# Altium PCB PCB_ESP_R8_POE_3C v2_2023-10-08.pcbdoc (part 2 of 3) (continued)
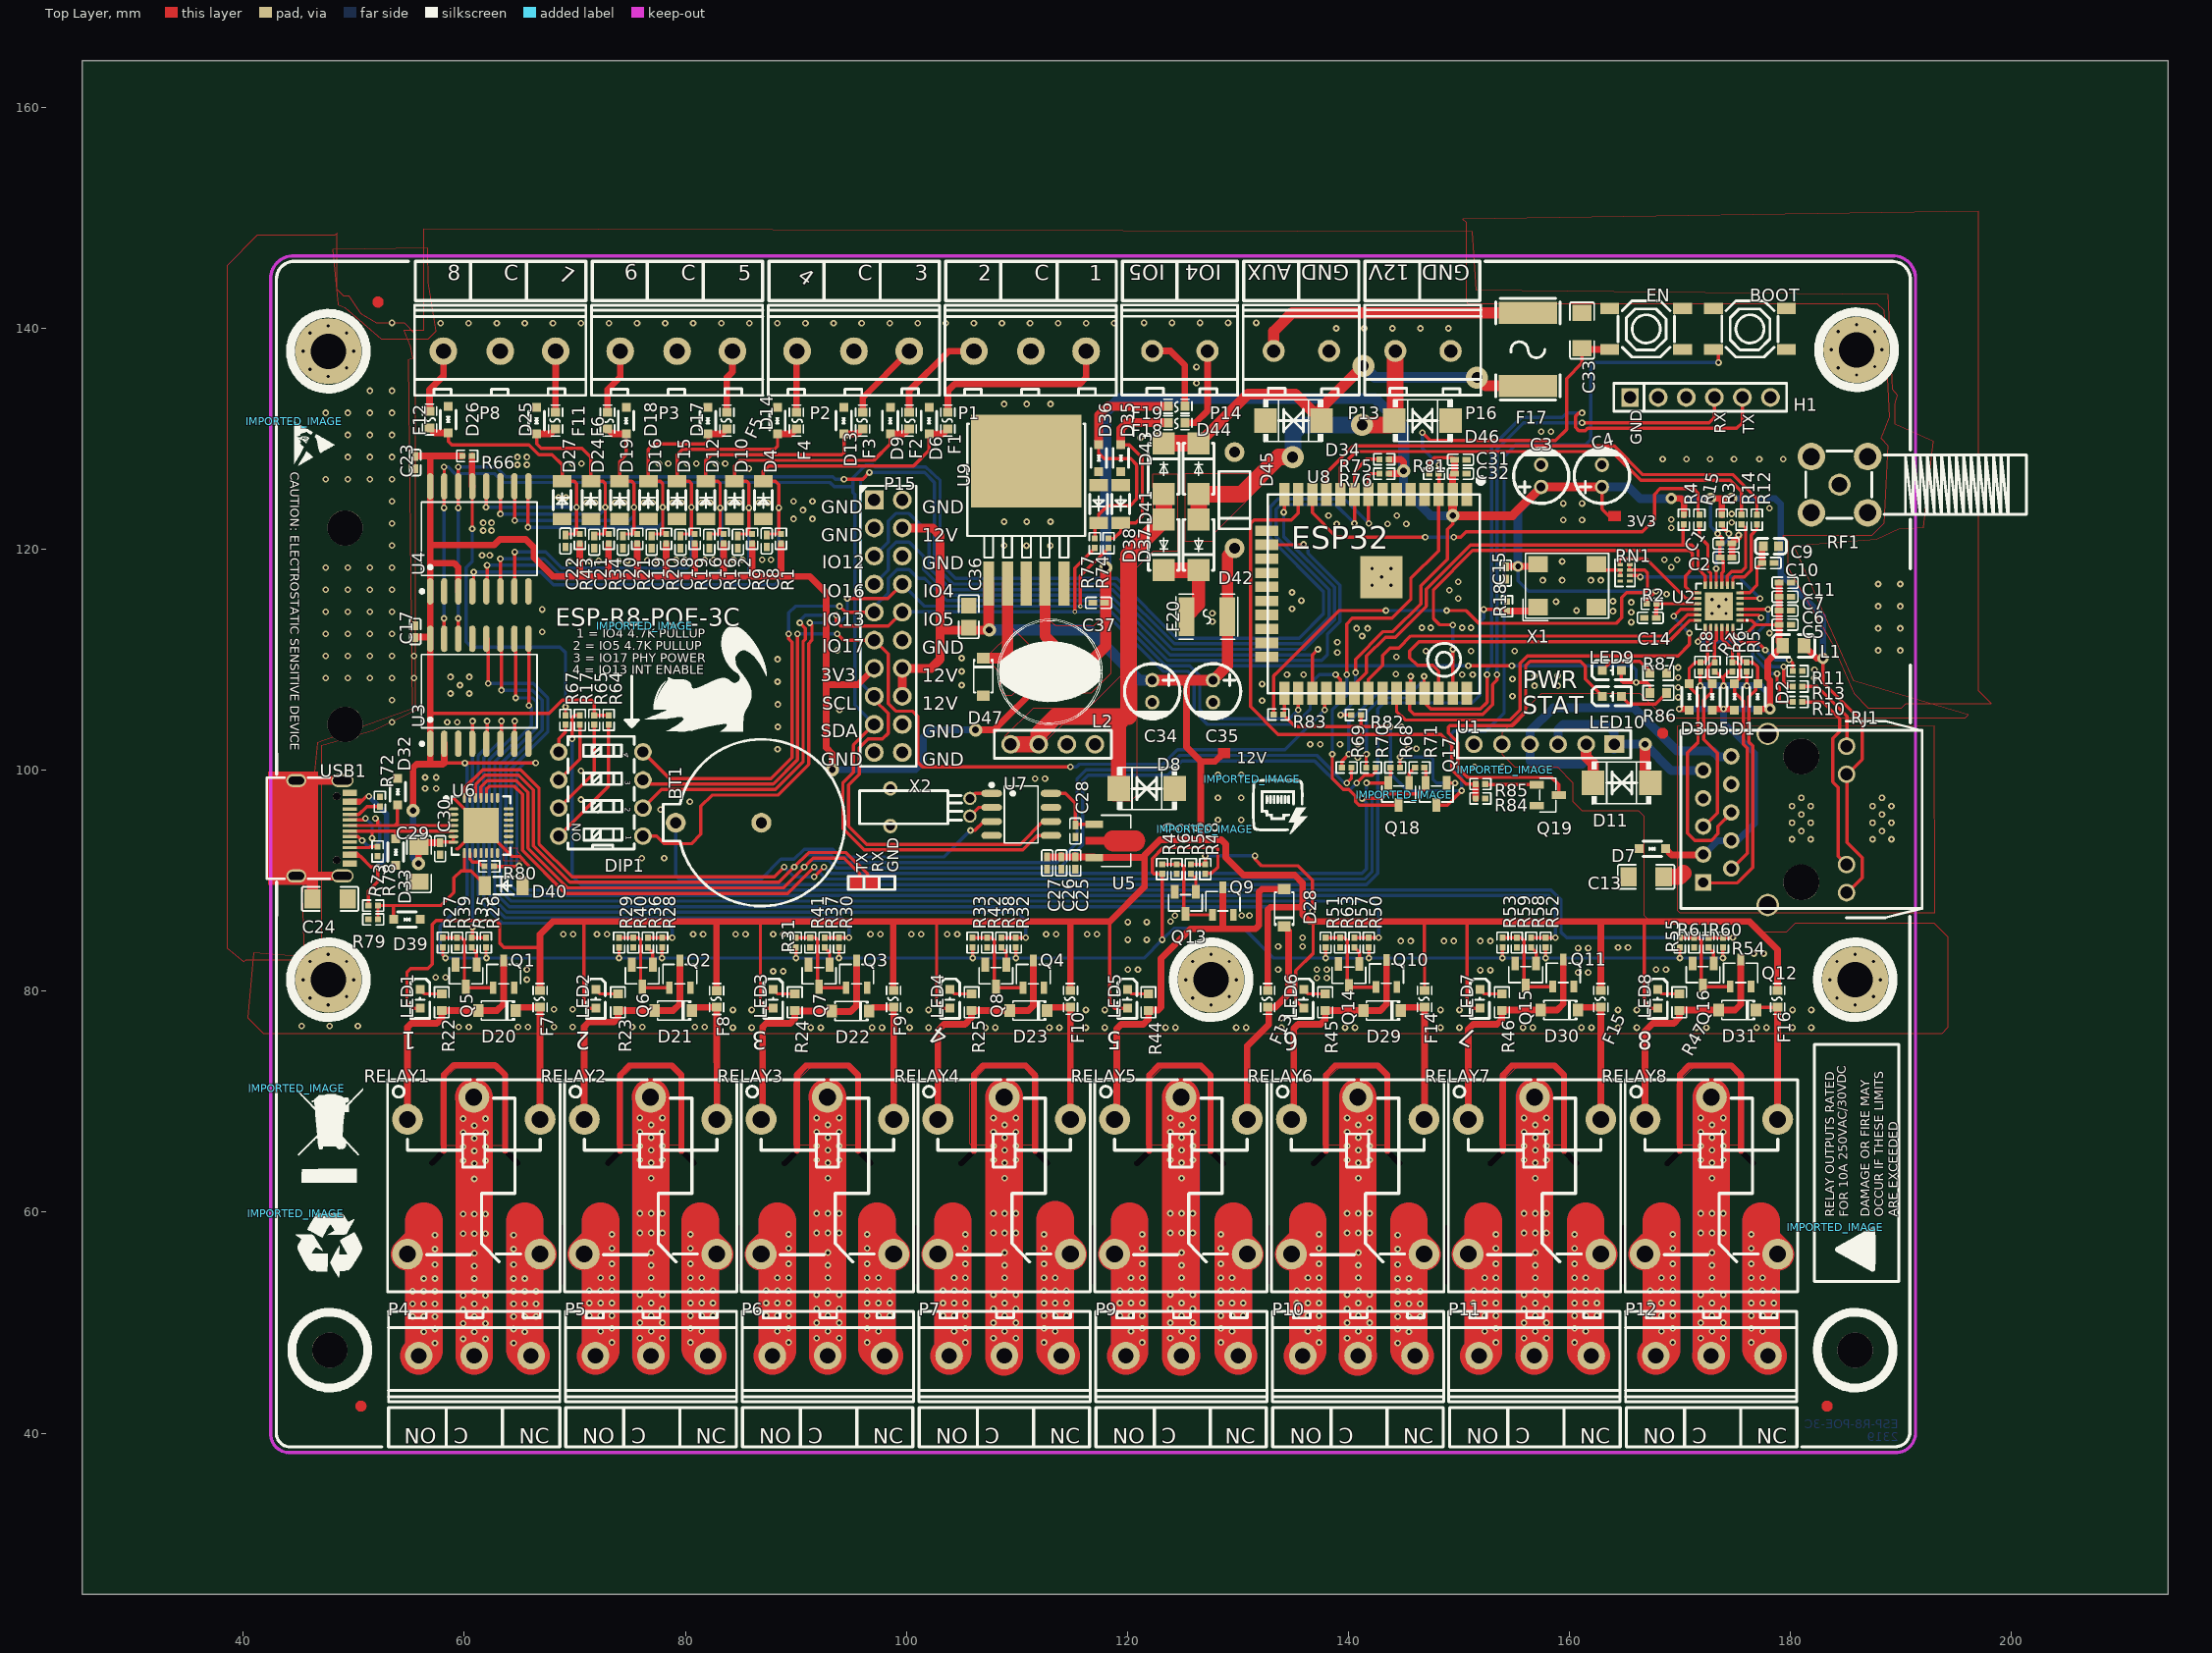
[diagram p0: Top Layer view]
## Nets (pads, with @x,y where several pads share a name; then routed paths per layer and width w, separated by ;. In a path a pad name is that pad's centre, name@x,y a point inside that pad or via, vN(x,y) a via of type N, cw(c..) or ccw(c..) an arc to the next point about the centre after c; other vN are vias at no path point) (continued)
  Top Layer w0.6: F6.1@72.951,130.907 73.4,130.457 D18.1@74.649,130.456
  Bottom Layer w0.3: v1(64.55,122.611) 74.9,122.611 75.35,123.061 v1(75.35,123.811)
INPUT_6: C21.1 D24.1 D25.1 F11.2 R34.2 U4.11 | length 30.3
  Top Layer w0.3: v1(63.25,123.211) 63.25,125.706 U4.11@63.255,125.711 ; D25.1@66.549,130.456 66.55,129.561 66.95,129.161 70.65,129.161 71.45,128.361 D24.1@71.45,126.161 ; D24.1@71.45,126.162 72.549,126.162 72.75,125.962 v1(72.75,123.811) 72.75,121.394 73.05,121.394 71.938,121.394 C21.1@71.749,121.205
  Top Layer w0.6: D25.1@66.549,130.456 67.797,130.457 F11.2@68.249,130.907
  Bottom Layer w0.3: v1(63.25,123.211) 72.3,123.211 72.75,123.661 v1(72.75,123.811)
INPUT_7: C22.1 D26.1 D27.1 F12.1 R43.2 U4.12 | length 33.1
  Top Layer w0.3: D26.1@58.55,130.556 58.55,129.761 58.85,129.461 65.85,129.461 66.75,128.561 67.95,128.561 68.85,127.661 D27.1@68.85,126.161 ; v1(61.95,123.811) 61.985,123.846 U4.12@61.985,125.711 ; D27.1@68.849,126.162 69.951,126.162 70.15,125.963 v1(70.15,123.811) 70.15,121.394 70.449,121.394 69.238,121.394 C22.1@69.15,121.306
  Top Layer w0.6: F12.1@56.85,131.007 57.302,130.556 D26.1@58.549,130.556
  Bottom Layer w0.3: v1(61.95,123.811) v1(70.15,123.811)
INT: R66.2 R67.2 U4.13 | length 32.1
  Top Layer w0.3: v1@60.715,121.862 U4.13@60.715,125.711 ; R67.2@69.15,104.994 v1(69.15,105.761)
  Top Layer w0.6: R66.2@60.684,128.461 60.683,125.743 U4.13@60.715,125.711
  Bottom Layer w0.3: v1(60.716,121.861) 60.716,118.925 60.149,118.359 60.149,111.661 60.65,111.161 68.651,111.161 69.151,110.66 v1@69.151,105.761
INT_ESP32: DIP1.4 P15.9 U8.16 | length 99.1
  Top Layer w0.3: DIP1.4@76.161,101.671 78.569,99.261 87.749,99.261 89.649,101.161 89.649,111.61 89.349,111.91 v1@89.349,112.36 ; v1(93.95,114.861) 94.488,114.323 P15.9@97.091,114.323 ; U8.16@132.623,120.418 135.907,120.418 v1(135.95,120.461)
  Bottom Layer w0.3: v1(89.35,112.361) 89.35,114.261 89.95,114.861 v1(93.95,114.861) ; P15.9@97.091,114.323 97.091,114.803 98.351,116.063 98.351,117.361 99.151,118.161 100.251,118.161 101.051,117.361 101.65,117.361 103.649,115.362 118.249,115.362 123.649,109.962 137.601,109.962 138.099,110.46 138.099,112.311 139.25,113.462 139.25,116.761 136.349,119.662 136.349,120.063 v1(135.95,120.461)
IO12: P15.5 U8.14 | length 65.6
  Top Layer w0.3: v1(134.15,123.361) 134.202,123.413 U8.14@134.202,124.973
  Bottom Layer w0.3: P15.5@97.091,119.403 98.351,120.663 98.351,122.563 99.049,123.261 100.251,123.261 102.049,121.46 102.049,118.362 104.051,116.36 118.65,116.36 124.051,110.96 136.049,110.96 138.75,113.66 138.75,116.561 134.15,121.161 v1(134.15,123.361)
IO16: P15.7 U8.27 | length 52.1
  Top Layer w0.3: U8.27@136.743,106.973 136.742,110.453 v1(137.25,110.961)
  Bottom Layer w0.3: P15.7@97.091,116.863 98.351,118.123 98.351,119.957 99.054,120.66 100.251,120.66 101.549,119.36 101.549,118.161 103.85,115.86 118.45,115.86 123.85,110.46 136.749,110.46 v1(137.25,110.961)
L2_1: D47.1 L2.1 U9.2 | length 10.6
  Top Layer w1: D47.1@106.949,110.153 109.092,110.153 109.15,110.211 109.15,110.061 L2.1@110.25,108.961 ; 109.149,110.212 U9.2@109.149,116.911
LED_G: R13.2 U2.3 | length 11.9
  Top Layer w0.3: U2.3@175.452,114.581 175.457,114.577 v1(177.99,114.577) ; v1(179.387,109.37) 179.387,107.973 179.768,107.592 R13.2@180.224,107.592
  Bottom Layer w0.3: v1@177.99,114.45 177.99,113.434 177.101,112.545 177.101,110.64 178.371,109.37 v1(179.387,109.37)
LED_Y: R10.2 U2.2 | length 12.4
  Top Layer w0.3: U2.2@175.452,114.081 177.101,114.069 v1(177.355,113.815) ; v1(178.8,108.761) 178.8,107.711 179.006,107.506 179.006,106.195 R10.2@180.098,106.195
  Bottom Layer w0.3: v1(177.355,113.815) 176.593,113.053 176.593,110.386 178.218,108.761 v1(178.8,108.761)
OUT_1: R26.2 R35.2 U3.4 | length 23
  Top Layer w0.3: U3.4@60.716,102.462 60.75,102.496 v1(60.75,104.461) ; v1(60.75,85.811) 60.75,84.943 R35.2@60.65,84.844 R26.2@61.95,84.844
  Bottom Layer w0.3: v1@60.75,85.836 v1@60.75,104.486
OUT_2: R28.2 R36.2 U3.5 | length 40.1
  Top Layer w0.3: U3.5@61.986,102.462 62.05,102.526 v1(62.05,104.461) ; R36.2@76.6,84.844 R28.2@77.9,84.844 ; R28.2@77.9,84.844 v1(78.8,84.862)
  Bottom Layer w0.3: v1(62.05,104.461) 62.049,102.161 61.249,101.361 61.249,88.362 63.451,86.162 78.249,86.162 78.8,85.611 v1(78.8,84.862)
OUT_3: R30.2 R37.2 U3.6 | length 56
  Top Layer w0.3: U3.6@63.256,102.462 63.35,102.556 v1(63.35,104.461) ; R37.2@92.6,84.844 R30.2@93.9,84.844 93.917,84.861 v1(94.8,84.861)
  Bottom Layer w0.3: v1(63.35,104.461) 63.35,102.761 61.749,101.161 61.749,88.56 63.649,86.66 94.109,86.66 94.8,85.972 v1(94.8,84.861)
OUT_4: R32.2 R38.2 U3.7 | length 71.9
  Top Layer w0.3: U3.7@64.526,102.462 64.55,102.486 v1(64.55,104.461) ; R38.2@108.6,84.844 R32.2@109.9,84.844 ; R32.2@109.9,84.844 v1(110.799,84.862)
  Bottom Layer w0.3: v1@64.551,104.46 64.551,103.261 62.25,100.96 62.25,88.76 63.85,87.16 110.03,87.16 110.799,86.391 v1(110.799,84.862)
OUT_5: R48.2 R56.2 U3.9 | length 114.9
  Top Layer w0.3: U3.9@65.796,112.062 65.85,112.008 v1(65.85,105.861) ; R56.2@125.75,91.494 R48.2@127.05,91.494 v1(127.05,92.261) ; v1@131.551,92.261 131.551,91.961 132.151,91.361 135.45,91.361 136.751,90.061 v1@136.751,87.262
  Bottom Layer w0.3: v1(65.85,105.861) 66.05,105.659 66.05,104.061 62.75,100.762 62.75,88.961 64.051,87.661 136.349,87.661 v1@136.751,87.262 ; v1(127.05,92.261) v1(131.55,92.261)
  other v1: 136.75,87.261
OUT_6: R50.2 R57.2 U3.10 | length 111.1
  Top Layer w0.3: U3.10@64.526,112.062 64.65,111.938 v1(64.65,106.561) ; R57.2@140.55,84.844 R50.2@141.85,84.844 141.867,84.861 v1(142.75,84.861)
  Bottom Layer w0.3: v1(64.65,106.561) 66.151,106.561 66.55,106.162 66.55,103.861 63.251,100.561 63.251,89.162 64.249,88.161 142.151,88.161 142.75,87.562 v1(142.75,84.861)
OUT_7: R52.2 R58.2 U3.11 | length 128.2
  Top Layer w0.3: U3.11@63.256,112.062 63.35,111.968 v1(63.35,107.261) ; R58.2@156.55,84.844 R52.2@157.85,84.844 157.867,84.861 v1(158.75,84.861)
  Bottom Layer w0.3: v1(63.35,107.261) 66.15,107.261 67.05,106.361 67.05,103.661 63.75,100.361 63.75,89.361 64.45,88.661 158.15,88.661 158.75,88.061 v1(158.75,84.861)
OUT_8: R54.2 R60.2 U3.12 | length 145
  Top Layer w0.3: U3.12@61.986,112.062 62.15,111.898 v1(62.15,107.861) ; R60.2@172.6,84.844 R54.2@173.9,84.844 173.917,84.861 v1(174.8,84.861)
  Bottom Layer w0.3: v1(62.15,107.861) 66.25,107.861 67.55,106.561 67.55,103.461 64.25,100.161 64.25,89.561 64.65,89.161 158.35,89.161 159.25,88.261 159.25,85.361 159.75,84.861 v1(174.8,84.861)
P1_1: F1.1 P1.1 | length 17.3
  Top Layer w0.6: F1.1@103.751,132.415 103.751,134.361 104.35,134.96 115.651,134.96 116.268,135.578 P1.1@116.268,137.945
P1_3: F2.2 P1.3 | length 9.3
  Top Layer w0.6: F2.2@100.251,132.415 100.251,134.361 103.835,137.945 P1.3@106.108,137.945
P2_1: F3.1 P2.1 | length 7.3
  Top Layer w0.6: F3.1@96.05,132.414 96.05,133.729 P2.1@100.266,137.945
P2_3: F4.2 P2.3 | length 5.6
  Top Layer w0.6: F4.2@90.05,132.414 90.05,137.889 P2.3@90.106,137.945
P3_1: F5.1 P3.1 | length 5.7
  Top Layer w0.6: F5.1@83.751,132.414 83.751,135.56 84.264,136.076 P3.1@84.264,137.945
P3_3: F6.2 P3.3 | length 6
  Top Layer w0.6: F6.2@72.951,132.414 72.951,134.46 74.104,135.616 P3.3@74.104,137.945
P5_1: P5.1 RELAY2.2 | length 32
  Top Layer w3: RELAY2.2@70.85,56.211 72.326,57.687 72.326,59.205
  Top Layer w3.4: P5.1@71.87,47.011 72.326,47.467 72.326,59.205
  Bottom Layer w3: RELAY2.2@70.85,56.211 72.326,57.687 72.326,59.205
  Bottom Layer w3.4: P5.1@71.87,47.011 72.326,47.467 72.326,59.205
  other v1: 73.342,48.219 72.326,49.235 73.342,49.489 71.31,50.632 72.326,50.632 73.342,50.632 71.31,51.775 72.326,51.775 73.342,51.775 71.31,52.918 72.326,52.918 73.342,52.918 72.326,54.061 73.342,54.061 73.342,55.331 73.342,56.728 73.342,57.998
P5_2: P5.2 RELAY2.5 | length 46.9
  Top Layer w3.4: RELAY2.5@76.85,70.411 76.879,70.382 P5.2@76.879,47.011
  Bottom Layer w2.5: RELAY2.5@76.827,70.298 76.85,70.321 RELAY2.5@76.85,70.411
  Bottom Layer w3.4: RELAY2.5@76.85,70.411 76.85,47.04 P5.2@76.879,47.011
  other v1: 75.882,48.6 77.914,48.6 76.898,49.235 75.882,49.997 77.914,49.997 76.898,50.632 75.882,51.267 77.914,51.267 76.898,51.775 75.882,52.537 77.914,52.537 76.898,52.918 76.898,54.061 76.898,55.204 76.898,56.347 75.882,58.125 76.898,58.125 77.914,58.125 75.882,59.903 76.898,59.903 77.914,59.903 76.898,63.078 76.898,64.475 75.882,64.729 77.914,64.729 76.898,65.618 75.882,65.999 77.914,65.999 76.898,66.761 75.882,67.269 77.914,67.269 76.898,67.904 75.882,68.539 77.914,68.539
P5_3: P5.3 RELAY2.3 | length 32.2
  Top Layer w3: 81.343,59.205 81.343,57.717 RELAY2.3@82.849,56.211
  Top Layer w3.4: 81.343,59.205 81.343,47.698 P5.3@82.03,47.011
  Bottom Layer w3: 81.343,59.205 81.343,57.717 RELAY2.3@82.849,56.211
  Bottom Layer w3.4: 81.343,59.205 81.343,47.648 81.98,47.011 P5.3@82.03,47.011
  other v1: 80.454,48.219 81.47,49.235 80.454,49.489 80.454,50.632 81.47,50.632 82.486,50.632 80.454,51.775 81.47,51.775 82.486,51.775 80.454,52.918 81.47,52.918 82.486,52.918 80.454,54.061 81.47,54.061 80.454,55.331 80.454,56.728 80.454,57.998
P8_1: F11.1 P8.1 | length 5.5
  Top Layer w0.6: F11.1@68.249,132.414 P8.1@68.262,137.945
P8_3: F12.2 P8.3 | length 5.9
  Top Layer w0.6: F12.2@56.85,132.513 56.85,134.46 58.102,135.712 P8.3@58.102,137.945
P9_1: P9.1 RELAY5.2 | length 31.8
  Top Layer w3: RELAY5.2@118.85,56.211 120.205,57.565 120.205,59.205
  Top Layer w3.4: P9.1@119.87,47.011 120.205,47.346 120.205,59.205
  Bottom Layer w3: RELAY5.2@118.85,56.211 120.205,57.565 120.205,59.205
  Bottom Layer w3.4: P9.1@119.87,47.011 120.205,47.346 120.205,59.205
  other v1: 121.348,48.219 120.332,49.235 121.348,49.489 119.316,50.632 120.332,50.632 121.348,50.632 119.316,51.775 120.332,51.775 121.348,51.775 119.316,52.918 120.332,52.918 121.348,52.918 120.332,54.061 121.348,54.061 121.348,55.331 121.348,56.728 121.348,57.998
P9_2: P9.2 RELAY5.5 | length 47.1
  Top Layer w3.4: P9.2@124.833,46.886 124.833,46.965 P9.2@124.879,47.011 124.85,47.04 RELAY5.5@124.85,70.411
  Bottom Layer w2.5: RELAY5.5@124.833,70.298 124.85,70.315 RELAY5.5@124.85,70.411
  Bottom Layer w3.4: RELAY5.5@124.85,70.411 124.879,70.382 P9.2@124.879,47.011
  other v1: 123.888,48.6 125.92,48.6 124.904,49.235 123.888,49.997 125.92,49.997 124.904,50.632 123.888,51.267 125.92,51.267 124.904,51.775 123.888,52.537 125.92,52.537 124.904,52.918 124.904,54.061 124.904,55.204 124.904,56.347 123.888,58.125 124.904,58.125 125.92,58.125 123.888,59.903 124.904,59.903 125.92,59.903 124.904,63.078 124.904,64.475 123.888,64.729 125.92,64.729 124.904,65.618 123.888,65.999 125.92,65.999 124.904,66.761 123.888,67.269 125.92,67.269 124.904,67.904 123.888,68.539 125.92,68.539
P9_3: P9.3 RELAY5.3 | length 31.8
  Top Layer w3: 129.603,59.205 129.603,57.457 RELAY5.3@130.849,56.211
  Top Layer w3.4: 129.603,59.205 129.603,47.438 P9.3@130.03,47.011
  Bottom Layer w3: 129.603,59.205 129.603,57.457 RELAY5.3@130.849,56.211
  Bottom Layer w3.4: 129.603,59.205 129.603,47.438 P9.3@130.03,47.011
  other v1: 128.46,48.219 129.476,49.235 128.46,49.489 128.46,50.632 129.476,50.632 130.492,50.632 128.46,51.775 129.476,51.775 130.492,51.775 128.46,52.918 129.476,52.918 130.492,52.918 128.46,54.061 129.476,54.061 128.46,55.331 128.46,56.728 128.46,57.998
P11_1: P11.1 RELAY7.2 | length 31.8
  Top Layer w3: RELAY7.2@150.85,56.211 152.209,57.57 152.209,59.205
  Top Layer w3.4: P11.1@151.82,47.011 152.209,47.4 152.209,59.205
  Bottom Layer w3: RELAY7.2@150.85,56.211 152.209,57.57 152.209,59.205
  Bottom Layer w3.4: P11.1@151.82,47.011 152.209,47.4 152.209,59.205
  other v1: 153.352,48.219 152.336,49.235 153.352,49.489 151.32,50.632 152.336,50.632 153.352,50.632 151.32,51.775 152.336,51.775 153.352,51.775 151.32,52.918 152.336,52.918 153.352,52.918 152.336,54.061 153.352,54.061 153.352,55.331 153.352,56.728 153.352,57.998
P11_2: P11.2 RELAY7.5 | length 46.9
  Top Layer w3.4: P11.2@156.829,47.011 156.85,47.032 RELAY7.5@156.85,70.411
  Bottom Layer w2.5: RELAY7.5@156.837,70.298 156.85,70.311 RELAY7.5@156.85,70.411
  Bottom Layer w3.4: P11.2@156.829,47.011 156.829,70.411 RELAY7.5@156.85,70.411
  other v1: 155.892,48.6 157.924,48.6 156.908,49.235 155.892,49.997 157.924,49.997 156.908,50.632 155.892,51.267 157.924,51.267 156.908,51.775 155.892,52.537 157.924,52.537 156.908,52.918 156.908,54.061 156.908,55.204 156.908,56.347 155.892,58.125 156.908,58.125 157.924,58.125 155.892,59.903 156.908,59.903 157.924,59.903 156.908,63.078 156.908,64.475 155.892,64.729 157.924,64.729 156.908,65.618 155.892,65.999 157.924,65.999 156.908,66.761 155.892,67.269 157.924,67.269 156.908,67.904 155.892,68.539 157.924,68.539
P11_3: P11.3 RELAY7.3 | length 31.9
  Top Layer w3: 161.48,59.205 161.48,57.58 RELAY7.3@162.849,56.211
  Top Layer w3.4: 161.48,59.205 161.48,47.511 P11.3@161.98,47.011
  Bottom Layer w3: 161.48,59.205 161.48,57.58 RELAY7.3@162.849,56.211
  Bottom Layer w3.4: 161.48,59.205 161.48,47.511 P11.3@161.98,47.011
  other v1: 160.464,48.219 161.48,49.235 160.464,49.489 160.464,50.632 161.48,50.632 162.496,50.632 160.464,51.775 161.48,51.775 162.496,51.775 160.464,52.918 161.48,52.918 162.496,52.918 160.464,54.061 161.48,54.061 160.464,55.331 160.464,56.728 160.464,57.998
P12_1: P12.1 RELAY8.2 | length 32
  Top Layer w3: RELAY8.2@166.85,56.211 168.338,57.699 168.338,59.205
  Top Layer w3.4: P12.1@167.82,47.011 168.338,47.529 168.338,59.205
  Bottom Layer w3: RELAY8.2@166.85,56.211 168.338,57.699 168.338,59.205
  Bottom Layer w3.4: P12.1@167.82,47.011 168.338,47.529 168.338,59.205
  other v1: 169.354,48.219 168.338,49.235 169.354,49.489 167.322,50.632 168.338,50.632 169.354,50.632 167.322,51.775 168.338,51.775 169.354,51.775 167.322,52.918 168.338,52.918 169.354,52.918 168.338,54.061 169.354,54.061 169.354,55.331 169.354,56.728 169.354,57.998
P12_2: P12.2 RELAY8.5 | length 47
  Top Layer w3.4: P12.2@172.829,47.011 172.85,47.032 RELAY8.5@172.85,70.411
  Bottom Layer w2: P12.2@172.829,47.011 172.856,47.011 P12.2@172.91,46.957
  Bottom Layer w2.5: RELAY8.5@172.839,70.298 172.85,70.309 RELAY8.5@172.85,70.411
  Bottom Layer w3.4: P12.2@172.829,47.011 172.829,70.39 RELAY8.5@172.85,70.411
  other v1: 171.894,48.6 173.926,48.6 172.91,49.235 171.894,49.997 173.926,49.997 172.91,50.632 171.894,51.267 173.926,51.267 172.91,51.775 171.894,52.537 173.926,52.537 172.91,52.918 172.91,54.061 172.91,55.204 172.91,56.347 171.894,58.125 172.91,58.125 173.926,58.125 171.894,59.903 172.91,59.903 173.926,59.903 172.91,63.078 172.91,64.475 171.894,64.729 173.926,64.729 172.91,65.618 171.894,65.999 173.926,65.999 172.91,66.761 171.894,67.269 173.926,67.269 172.91,67.904 171.894,68.539 173.926,68.539
P12_3: P12.3 RELAY8.3 | length 32.1
  Top Layer w3: 177.355,59.205 177.355,57.705 RELAY8.3@178.849,56.211
  Top Layer w3.4: 177.355,59.205 177.355,47.636 P12.3@177.98,47.011
  Bottom Layer w3: 177.355,59.205 177.355,57.705 RELAY8.3@178.849,56.211
  Bottom Layer w3.4: 177.355,59.205 177.355,47.636 P12.3@177.98,47.011
  other v1: 176.466,48.219 177.482,49.235 176.466,49.489 176.466,50.632 177.482,50.632 178.498,50.632 176.466,51.775 177.482,51.775 178.498,51.775 176.466,52.918 177.482,52.918 178.498,52.918 176.466,54.061 177.482,54.061 176.466,55.331 176.466,56.728 176.466,57.998
P13_2: F17.1 P13.2 | length 25.5
  Top Layer w1: P13.2@133.245,137.96 133.245,139.756 134.9,141.411 F17.1@156.25,141.411
P16_2: D42.2 D44.2 D46.1 P16.2 | length 30.4
  Top Layer w1.5: D42.2@126.45,122.711 D44.2@126.45,125.01 130.35,125.011 133.7,128.361 v4(134.95,128.361) ; v4(141.25,131.261) 143.76,131.261 D46.1@144.16,131.661 144.246,131.661 P16.2@144.245,137.961
  Bottom Layer w1.5: v4(134.95,128.361) 135,128.362 135,130.51 135.75,131.26 v4(141.25,131.261)
PHY_PWR_ESP32: DIP1.3 P15.11 U8.28 | length 88
  Top Layer w0.3: DIP1.3@76.161,99.131 76.53,98.76 87.95,98.76 90.149,100.96 v1@90.149,112.36 ; v1(93.75,112.361) 94.328,111.783 P15.11@97.091,111.783 98.351,110.523 98.351,106.06 99.049,105.362 100.55,105.362 101.05,104.862 101.05,100.711 101.45,100.311 v1(114.85,100.311) ; v1(137.85,105.461) 137.85,106.972 U8.28@138.013,106.973
  Bottom Layer w0.3: v1(90.15,112.361) v1(93.75,112.361) ; v1@114.851,100.31 115.399,100.31 115.651,100.561 123.25,100.561 124.551,101.862 134.251,101.862 v1(137.85,105.461)
PHY_PWR_ETH: DIP1.6 R17.1 | length 5.8
  Top Layer w0.3: DIP1.6@68.54,99.131 70.45,101.041 R17.1@70.45,104.128
Q5_1: Q5.1 R35.1 | length 1.8
  Top Layer w0.3: R35.1@60.65,83.978 61.1,83.528 Q5.1@61.1,82.411
Q5_3: Q1.1 Q5.3 R27.2 R39.1 | length 8.8
  Top Layer w0.3: R27.2@58.05,84.844 R39.1@59.35,84.844 59.768,84.844 59.999,84.61 59.999,80.561 Q5.3@60.15,80.411 60.235,80.326 Q1.1@62.6,80.326
Q6_3: Q2.1 Q6.3 R29.2 R40.1 | length 8.9
  Top Layer w0.3: R29.2@74,84.844 R40.1@75.3,84.844 ; R40.1@75.3,84.844 75.768,84.844 75.951,84.661 75.951,80.411 Q6.3@76.1,80.411 ; Q6.3@76.1,80.411 76.185,80.326 Q2.1@78.55,80.326
Q7_1: Q7.1 R37.1 | length 1.8
  Top Layer w0.3: R37.1@92.6,83.978 93.05,83.528 Q7.1@93.05,82.411
Q7_3: Q3.1 Q7.3 R31.2 R41.1 | length 8.9
  Top Layer w0.3: R31.2@90,84.844 R41.1@91.3,84.844 91.767,84.844 91.95,84.661 91.95,80.411 Q7.3@92.1,80.411 92.185,80.326 Q3.1@94.55,80.326
Q8_1: Q8.1 R38.1 | length 1.8
  Top Layer w0.3: R38.1@108.6,83.978 109.05,83.528 Q8.1@109.05,82.411
Q8_3: Q4.1 Q8.3 R33.2 R42.1 | length 8.9
  Top Layer w0.3: R33.2@106,84.844 R42.1@107.3,84.844 107.716,84.844 107.949,84.61 107.949,80.411 Q8.3@108.1,80.411 108.185,80.326 Q4.1@110.55,80.326
Q13_1: Q13.1 R56.1 | length 1.8
  Top Layer w0.3: R56.1@125.75,90.628 126.2,90.178 Q13.1@126.2,89.011
Q13_3: Q9.1 Q13.3 R49.2 R62.1 | length 9
  Top Layer w0.3: R49.2@123.15,91.494 R62.1@124.45,91.494 124.917,91.493 125.1,91.311 125.1,87.01 Q13.3@125.25,87.011 ; Q13.3@125.25,87.011 125.335,86.926 Q9.1@127.7,86.926
Q14_1: Q14.1 R57.1 | length 1.7
  Top Layer w0.3: R57.1@140.55,83.978 141,83.528 Q14.1@141,82.461
Q14_3: Q10.1 Q14.3 R51.2 R63.1 | length 8.8
  Top Layer w0.3: R51.2@137.95,84.844 R63.1@139.25,84.844 139.649,84.862 139.9,84.61 139.9,80.46 Q14.3@140.05,80.46 ; Q14.3@140.05,80.461 140.135,80.376 Q10.1@142.5,80.376
Q15_3: Q11.1 Q15.3 R53.2 R59.1 | length 8.8
  Top Layer w0.3: R53.2@153.95,84.844 R59.1@155.25,84.844 155.651,84.862 155.9,84.61 155.9,80.511 Q15.3@156.05,80.511 156.135,80.426 Q11.1@158.5,80.426
Q16_3: Q12.1 Q16.3 R55.2 R61.1 | length 8.8
  Top Layer w0.3: R55.2@170,84.844 R61.1@171.3,84.844 171.701,84.862 171.95,84.61 171.95,80.511 Q16.3@172.1,80.511 172.185,80.426 Q12.1@174.55,80.426
Q17_1: Q17.1 R68.1 | length 8.7
  Top Layer w0.3: R68.1@144.683,100.261 v1(144.683,101.211) ; Q17.1@148.899,98.861 v1(149.65,98.861)
  Bottom Layer w0.3: v1(144.683,101.211) 147.449,101.212 147.65,101.011 147.65,99.21 148,98.862 v1(149.65,98.861)
Q18_1: Q18.1 R71.1 | length 1.6
  Top Layer w0.3: Q18.1@145.5,98.861 145.5,99.744 R71.1@146.018,100.262
Q19_1: Q19.1 R85.2 | length 4.7
  Top Layer w0.3: R85.2@152.383,98.76 152.433,98.711 Q19.1@157.05,98.711
Q19_3: LED10.2 Q19.3 | length 35.6
  Top Layer w0.3: Q19.3@159.052,97.76 159.052,98.71 158.401,99.36 150.802,99.36 149.9,100.262 149.9,102.517 149.049,103.368 149.049,103.912 149.199,104.061 154.851,104.061 156.049,105.26 156.049,109.461 156.448,109.86 161,109.86 161.449,109.411 161.449,108.26 LED10.2@162.999,106.711
R18_1: R17.2 R18.1 X1.1 | length 126.4
  Top Layer w0.3: v1(69.75,102.861) 69.75,104.761 69.983,104.994 R17.2@70.45,104.994 ; v1(152.25,114.561) 154.218,114.561 R18.1@154.35,114.429
  Top Layer w0.6: R18.1@154.35,114.428 156.827,114.428 X1.1@157.16,114.761
  Bottom Layer w0.3: v1(69.75,102.861) 69.75,90.46 70.55,89.662 141.65,89.662 142.651,90.66 142.651,105.56 143.2,106.111 151.201,106.111 151.899,106.812 151.899,113.41 152.25,113.76 v1(152.25,114.561)
R22_1: LED1.2 R22.1 | length 2.1
  Top Layer w0.3: LED1.2@56,80.162 56.397,79.764 R22.1@57.95,79.764
R23_1: LED2.2 R23.1 | length 2.2
  Top Layer w0.3: LED2.2@71.9,80.162 72.297,79.764 R23.1@73.9,79.764
R24_1: LED3.2 R24.1 | length 2.1
  Top Layer w0.3: LED3.2@87.95,80.162 88.347,79.764 R24.1@89.9,79.764
R25_1: LED4.2 R25.1 | length 2.1
  Top Layer w0.3: LED4.2@103.95,80.162 104.347,79.764 R25.1@105.9,79.764
R36_1: Q6.1 R36.1 | length 1.8
  Top Layer w0.3: R36.1@76.6,83.978 77.05,83.528 Q6.1@77.05,82.411
R44_1: LED5.2 R44.1 | length 2.1
  Top Layer w0.3: LED5.2@120,80.162 120.397,79.764 R44.1@121.9,79.764
R45_1: LED6.2 R45.1 | length 2.1
  Top Layer w0.3: LED6.2@135.95,80.162 136.347,79.764 R45.1@137.9,79.764
R46_1: LED7.2 R46.1 | length 2.2
  Top Layer w0.3: LED7.2@151.9,80.162 152.297,79.764 R46.1@153.9,79.764
R47_1: LED8.2 R47.1 | length 2.1
  Top Layer w0.3: LED8.2@168,80.162 168.397,79.764 R47.1@169.95,79.764
R58_1: Q15.1 R58.1 | length 1.7
  Top Layer w0.3: R58.1@156.55,83.978 157,83.528 Q15.1@157,82.511
R60_1: Q16.1 R60.1 | length 1.7
  Top Layer w0.3: R60.1@172.6,83.978 173.05,83.528 Q16.1@173.05,82.511
R64_2: DIP1.8 R64.2 | length 11.9
  Top Layer w0.3: DIP1.8@68.54,94.051 73.05,98.56 R64.2@73.05,104.128
R65_2: DIP1.7 R65.2 | length 8.9
  Top Layer w0.3: DIP1.7@68.54,96.591 71.75,99.8 R65.2@71.75,104.128
R67_1: DIP1.5 R67.1 | length 2.7
  Top Layer w0.3: DIP1.5@68.541,101.671 68.541,102.852 69.151,103.462 R67.1@69.151,104.127
R72_1: R72.1 USB1.A5 | length 3
  Top Layer w0.3: USB1.A5@49.616,96.012 50.449,96.012 51.168,96.728 R72.1@52.35,96.728
R73_1: R73.1 USB1.B5 | length 2.6
  Top Layer w0.3: USB1.B5@49.616,93.01 51.399,93.01 51.483,93.094 R73.1@52.15,93.094
R84_1: R84.1 R85.1 U8.13 | length 48.9
  Top Layer w0.3: U8.13@135.472,124.973 135.473,123.284 134.851,122.662 131.45,122.662 131.15,122.362 131.15,105.761 133.649,103.261 148.399,103.261 149.349,102.311 149.349,100.061 150.649,98.76 R85.1@151.518,98.76
  Top Layer w0.6: R84.1@151.517,97.46 R85.1@151.517,98.76
R86_2: LED10.1 R86.2 | length 4.8
  Top Layer w0.3: LED10.1@164.701,106.711 165.401,106.011 167.803,106.011 R86.2@168.804,107.01
R87_1: LED9.2 R87.1 | length 5.2
  Top Layer w0.3: LED9.2@162.999,109.061 163.798,109.86 166.4,109.86 167.297,108.964 R87.1@167.298,108.811
RD+: D2.2 R5.2 RJ1.1 U2.23 | length 28.9
  Top Layer w0.3: RJ1.1@172.135,89.812 175.201,89.812 176.6,91.211 176.6,102.211 176.25,102.561 176.25,106.662 176.849,107.262 176.849,107.665 D2.2@177.05,107.867 177.05,109.361 176.617,109.794 176.05,109.794 175.788,109.794 175.323,110.259 175.323,111.161 174.294,112.189 U2.23@174.294,112.926
RD-: D1.1 R6.2 RJ1.2 U2.22 | length 24
  Top Layer w0.3: U2.22@173.795,112.924 173.794,111.915 174.75,110.959 174.75,109.794 175.117,109.794 175.45,109.472 175.45,108.362 174.954,107.866 D1.1@174.949,107.867 174.95,107.061 175.75,106.261 175.75,102.362 176.1,102.012 176.1,92.507 RJ1.2@174.675,91.082
RELAY1_1: D20.2 Q1.3 R22.2 RELAY1.1 | length 22.3
  Top Layer w0.6: RELAY1.1@54.851,68.41 54.851,76.761 55.201,77.112 57.5,77.112 57.95,77.562 R22.2@57.95,78.258 D20.2@61.257,78.261 ; D20.2@61.257,78.261 62.95,78.261 63.55,78.861 Q1.3@63.55,82.796
RELAY1_2: P4.1 RELAY1.2 | length 32
  Top Layer w3: RELAY1.2@54.85,56.211 56.324,57.684 56.324,59.205
  Top Layer w3.4: P4.1@55.87,47.011 56.324,47.465 56.324,59.205
  Bottom Layer w3: RELAY1.2@54.85,56.211 56.324,57.684 56.324,59.205
  Bottom Layer w3.4: P4.1@55.87,47.011 56.324,47.465 56.324,59.205
  other v1: 57.34,48.156 56.324,49.172 57.34,49.426 55.308,50.569 56.324,50.569 57.34,50.569 55.308,51.712 56.324,51.712 57.34,51.712 55.308,52.855 56.324,52.855 57.34,52.855 56.324,53.998 57.34,53.998 57.34,55.268 57.34,56.665 57.34,57.935
RELAY1_3: P4.3 RELAY1.3 | length 32
  Top Layer w3: 65.468,59.205 65.468,57.592 RELAY1.3@66.849,56.211
  Top Layer w3.4: 65.468,59.205 65.468,51.331 65.468,47.573 P4.3@66.03,47.011
  Bottom Layer w3: 65.468,59.205 65.468,57.592 RELAY1.3@66.849,56.211
  Bottom Layer w3.4: 65.468,59.205 65.468,47.573 P4.3@66.03,47.011
  other v1: 64.452,48.156 65.468,49.172 64.452,49.426 64.452,50.569 65.468,50.569 66.484,50.569 64.452,51.712 65.468,51.712 66.484,51.712 64.452,52.855 65.468,52.855 66.484,52.855 64.452,53.998 65.468,53.998 64.452,55.268 64.452,56.665 64.452,57.935
RELAY1_4: D20.1 F7.2 RELAY1.4 | length 12.5
  Top Layer w0.6: D20.1@64.642,78.261 64.939,78.558 F7.2@66.85,78.558 RELAY1.4@66.85,68.411
RELAY1_5: P4.2 RELAY1.5 | length 49.7
  Top Layer w3.2: RELAY1.5@60.85,70.411 60.85,67.76 v1@60.896,67.714
  Top Layer w3.4: RELAY1.5@60.845,70.406 60.879,70.373 P4.2@60.879,47.011
  Bottom Layer w2.5: RELAY1.5@60.85,70.411 60.865,70.411 RELAY1.5@60.896,70.38
  Bottom Layer w3.4: P4.2@60.879,47.011 60.879,70.382 RELAY1.5@60.85,70.411 60.88,70.38 RELAY1.5@60.896,70.38
  other v1: 59.88,48.537 61.912,48.537 60.896,49.172 59.88,49.934 61.912,49.934 60.896,50.569 59.88,51.204 61.912,51.204 60.896,51.712 59.88,52.474 61.912,52.474 60.896,52.855 60.896,53.998 60.896,55.141 60.896,56.284 59.88,58.062 60.896,58.062 61.912,58.062 59.88,59.84 60.896,59.84 61.912,59.84 60.896,63.015 60.896,64.412 59.88,64.666 61.912,64.666 60.896,65.555 59.88,65.936 61.912,65.936 60.896,66.698 59.88,67.206 61.912,67.206 60.896,67.841 59.88,68.476 61.912,68.476
RELAY3_1: D22.2 Q3.3 R24.2 RELAY3.1 | length 22.4
  Top Layer w0.6: RELAY3.1@86.85,68.411 87,68.562 87,76.81 87.302,77.112 89.499,77.112 89.9,77.511 R24.2@89.9,78.258 ; R24.2@89.9,78.258 89.947,78.211 D22.2@93.257,78.211 ; D22.2@93.257,78.211 93.306,78.161 94.95,78.161 95.501,78.71 Q3.3@95.501,82.797
RELAY3_2: P6.1 RELAY3.2 | length 32
  Top Layer w3: RELAY3.2@86.85,56.211 88.328,57.689 88.328,59.205
  Top Layer w3.4: P6.1@87.87,47.011 88.328,47.469 88.328,59.205
  Bottom Layer w3: RELAY3.2@86.85,56.211 88.328,57.689 88.328,59.205
  Bottom Layer w3.4: P6.1@87.87,47.011 88.328,47.469 88.328,59.205
  other v1: 89.344,48.219 88.328,49.235 89.344,49.489 87.312,50.632 88.328,50.632 89.344,50.632 87.312,51.775 88.328,51.775 89.344,51.775 87.312,52.918 88.328,52.918 89.344,52.918 88.328,54.061 89.344,54.061 89.344,55.331 89.344,56.728 89.344,57.998
RELAY3_3: P6.3 RELAY3.3 | length 32.2
  Top Layer w3: 97.345,59.205 97.345,57.715 RELAY3.3@98.849,56.211
  Top Layer w3.4: 97.345,59.205 97.345,47.696 P6.3@98.03,47.011
  Bottom Layer w3: 97.345,59.205 97.345,57.715 RELAY3.3@98.849,56.211
  Bottom Layer w3.4: 97.345,59.205 97.345,47.696 P6.3@98.03,47.011
  other v1: 96.456,48.219 97.472,49.235 96.456,49.489 96.456,50.632 97.472,50.632 98.488,50.632 96.456,51.775 97.472,51.775 98.488,51.775 96.456,52.918 97.472,52.918 98.488,52.918 96.456,54.061 97.472,54.061 96.456,55.331 96.456,56.728 96.456,57.998
RELAY3_4: D22.1 F9.2 RELAY3.4 | length 12.6
  Top Layer w0.3: F9.2@98.75,78.457 F9.2@98.85,78.558
  Top Layer w0.6: D22.1@96.642,78.211 96.989,78.557 F9.2@98.85,78.558 RELAY3.4@98.85,68.411
RELAY3_5: P6.2 RELAY3.5 | length 47
  Top Layer w3.4: RELAY3.5@92.85,70.411 92.879,70.411 P6.2@92.879,47.011
  Bottom Layer w2.5: RELAY3.5@92.829,70.298 92.85,70.319 RELAY3.5@92.85,70.411
  Bottom Layer w3.4: RELAY3.5@92.85,70.411 92.879,70.382 P6.2@92.879,47.011
  other v1: 91.884,48.6 93.916,48.6 92.9,49.235 91.884,49.997 93.916,49.997 92.9,50.632 91.884,51.267 93.916,51.267 92.9,51.775 91.884,52.537 93.916,52.537 92.9,52.918 92.9,54.061 92.9,55.204 92.9,56.347 91.884,58.125 92.9,58.125 93.916,58.125 91.884,59.903 92.9,59.903 93.916,59.903 92.9,63.078 92.9,64.475 91.884,64.729 93.916,64.729 92.9,65.618 91.884,65.999 93.916,65.999 92.9,66.761 91.884,67.269 93.916,67.269 92.9,67.904 91.884,68.539 93.916,68.539
RELAY4_1: D23.2 Q4.3 R25.2 RELAY4.1 | length 22.1
  Top Layer w0.6: RELAY4.1@102.85,68.411 102.85,76.461 103.4,77.011 105.3,77.011 105.9,77.611 R25.2@105.9,78.258 D23.2@109.357,78.261 ; D23.2@109.357,78.261 111.05,78.261 111.5,78.711 Q4.3@111.5,82.796